# KiCad board SP110Duo.kicad_pcb
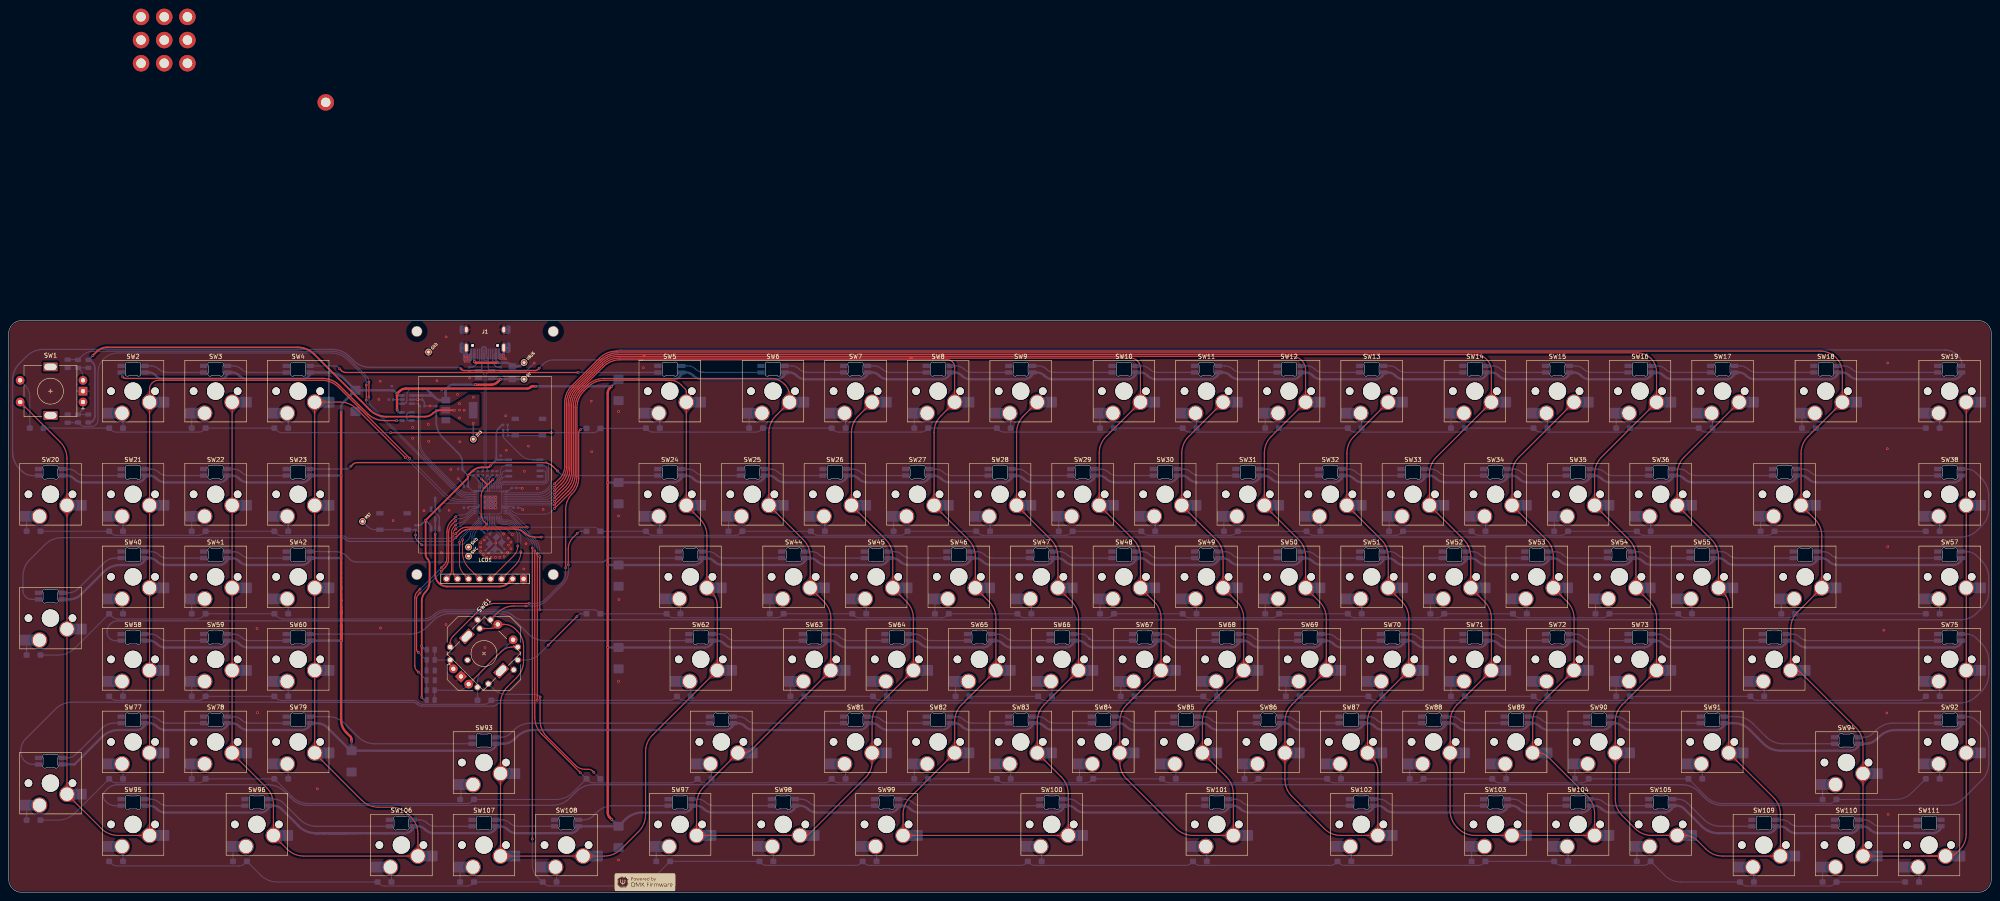
[diagram p0: board, top side]
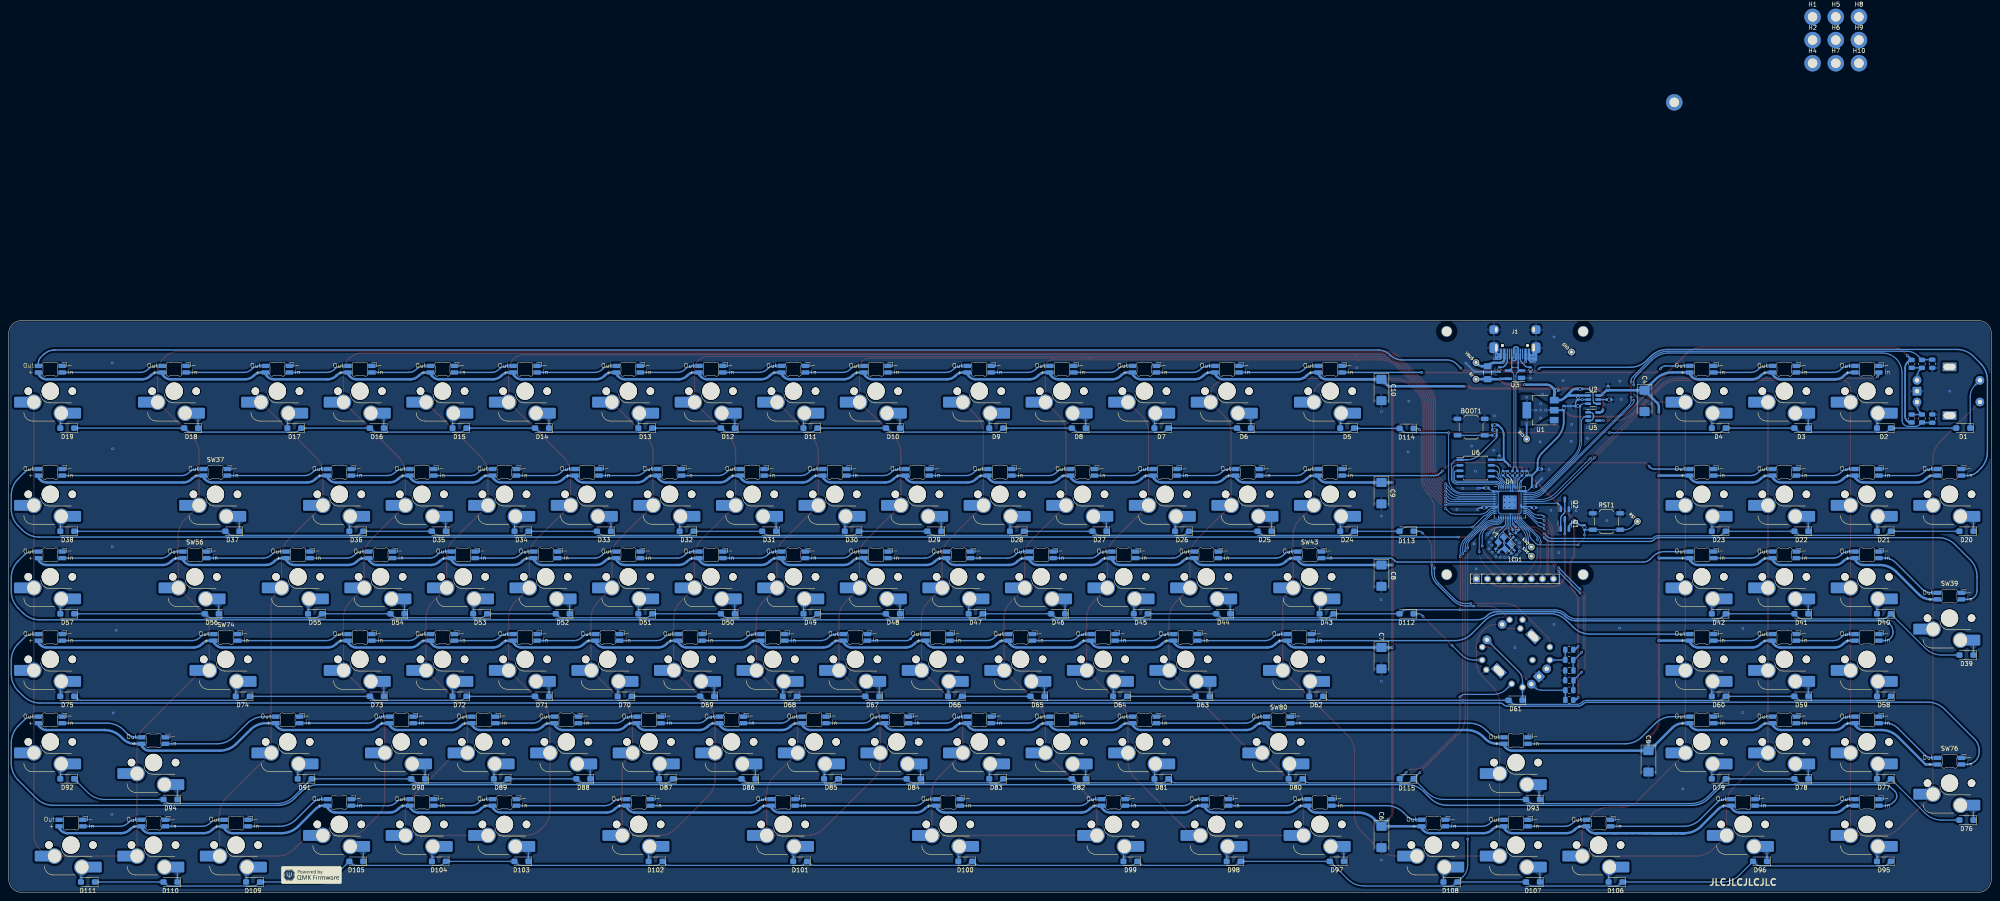
[diagram p1: board, bottom side, seen from below]

Outline 457.4 x 132 mm; copper layers: Top, Bottom. Coordinates in mm from the lower left corner of the outline.
Outline path: 0,129 0,3 arc(0.88,0.88) 3,0 454.4,0 arc(456.52,0.88) 457.4,3 457.4,129 arc(456.52,131.12) 454.4,132 3,132 arc(0.88,131.12) 0,129
Stack: Top 0.035mm / dielectric 1.51mm FR4 er 4.5 / Bottom 0.035mm

## Placement (name value [footprint] x y rotation side)
BOOT1  SW_Push  [SW_SPST_TL3342]  120.02 107.4 0 bottom
C1  1u  [C_0402_1005Metric]  100.37 115.86 0 bottom
C2  1u  [C_0402_1005Metric]  98.64 111.78 270 bottom
C3  100nF  [C_0402_1005Metric]  95.4 114.22 90 bottom
C4  100u  [CP_EIA-6032-15_Kemet-U]  80 113.44 270 bottom
C5  100u  [CP_EIA-6032-15_Kemet-U]  79.1 30.24 270 bottom
C6  100u  [CP_EIA-6032-15_Kemet-U]  140.7 12.78 270 bottom
C7  100u  [CP_EIA-6032-15_Kemet-U]  140.7 54.05 270 bottom
C8  100u  [CP_EIA-6032-15_Kemet-U]  140.7 73.1 270 bottom
C9  100u  [CP_EIA-6032-15_Kemet-U]  140.7 92.15 270 bottom
C10  100u  [CP_EIA-6032-15_Kemet-U]  140.7 115.96 270 bottom
C11  22p  [C_0402_1005Metric]  114.05 78.91 45 bottom
C12  22p  [C_0402_1005Metric]  110.37 78.62 135 bottom
C13  100nF  [C_0402_1005Metric]  88.4 116.38 90 bottom
C14  100n  [C_0402_1005Metric]  113.5 100.33 90 bottom
C15  1u  [C_0402_1005Metric]  108.27 96.75 90 bottom
C16  100n  [C_0402_1005Metric]  109.37 84.02 225 bottom
C17  100n  [C_0402_1005Metric]  105.52 88.8 180 bottom
C18  1u  [C_0402_1005Metric]  104.19 97.71 180 bottom
C19  100n  [C_0402_1005Metric]  116.52 93.35 0 bottom
C20  100n  [C_0402_1005Metric]  117 88.8 0 bottom
C21  100n  [C_0402_1005Metric]  110.07 83.32 225 bottom
C22  100nF  [C_0805_2012Metric]  13.62 109.36 270 bottom
C23  100nF  [C_0805_2012Metric]  13.62 122.01 90 bottom
C24  100nF  [C_0805_2012Metric]  97.35 48.95 180 bottom
C25  100n  [C_0402_1005Metric]  112.67 96.75 90 bottom
C26  100n  [C_0402_1005Metric]  107.17 96.75 90 bottom
C27  100n  [C_0402_1005Metric]  111.57 96.75 90 bottom
C28  100n  [C_0402_1005Metric]  105.49 93.67 180 bottom
C29  100nF  [C_0805_2012Metric]  97.35 51.2 180 bottom
D1  1N4148W  [D_SOD-123]  6.47 107.16 0 bottom
D2  1N4148W  [D_SOD-123]  24.79 107.16 0 bottom
D3  1N4148W  [D_SOD-123]  43.84 107.16 0 bottom
D4  1N4148W  [D_SOD-123]  62.89 107.16 0 bottom
D5  1N4148W  [D_SOD-123]  148.61 107.16 0 bottom
D6  1N4148W  [D_SOD-123]  172.42 107.16 0 bottom
D7  1N4148W  [D_SOD-123]  191.47 107.16 0 bottom
D8  1N4148W  [D_SOD-123]  210.52 107.16 0 bottom
D9  1N4148W  [D_SOD-123]  229.57 107.16 0 bottom
D10  1N4148W  [D_SOD-123]  253.39 107.16 0 bottom
D11  1N4148W  [D_SOD-123]  272.44 107.16 0 bottom
D12  1N4148W  [D_SOD-123]  291.49 107.16 0 bottom
D13  1N4148W  [D_SOD-123]  310.54 107.16 0 bottom
D14  1N4148W  [D_SOD-123]  334.35 107.16 0 bottom
D15  1N4148W  [D_SOD-123]  353.4 107.16 0 bottom
D16  1N4148W  [D_SOD-123]  372.45 107.16 0 bottom
D17  1N4148W  [D_SOD-123]  391.5 107.16 0 bottom
D18  1N4148W  [D_SOD-123]  415.31 107.16 0 bottom
D19  1N4148W  [D_SOD-123]  443.89 107.16 0 bottom
D20  1N4148W  [D_SOD-123]  5.74 83.35 0 bottom
D21  1N4148W  [D_SOD-123]  24.79 83.35 0 bottom
D22  1N4148W  [D_SOD-123]  43.84 83.35 0 bottom
D23  1N4148W  [D_SOD-123]  62.89 83.35 0 bottom
D24  1N4148W  [D_SOD-123]  148.61 83.35 0 bottom
D25  1N4148W  [D_SOD-123]  167.66 83.35 0 bottom
D26  1N4148W  [D_SOD-123]  186.71 83.35 0 bottom
D27  1N4148W  [D_SOD-123]  205.76 83.35 0 bottom
D28  1N4148W  [D_SOD-123]  224.81 83.35 0 bottom
D29  1N4148W  [D_SOD-123]  243.86 83.35 0 bottom
D30  1N4148W  [D_SOD-123]  262.91 83.35 0 bottom
D31  1N4148W  [D_SOD-123]  281.96 83.35 0 bottom
D32  1N4148W  [D_SOD-123]  301.01 83.35 0 bottom
D33  1N4148W  [D_SOD-123]  320.06 83.35 0 bottom
D34  1N4148W  [D_SOD-123]  339.11 83.35 0 bottom
D35  1N4148W  [D_SOD-123]  358.16 83.35 0 bottom
D36  1N4148W  [D_SOD-123]  377.21 83.35 0 bottom
D37  1N4148W  [D_SOD-123]  405.79 83.35 0 bottom
D38  1N4148W  [D_SOD-123]  443.89 83.35 0 bottom
D39  1N4148W  [D_SOD-123]  5.74 54.78 0 bottom
D40  1N4148W  [D_SOD-123]  24.79 64.3 0 bottom
D41  1N4148W  [D_SOD-123]  43.84 64.3 0 bottom
D42  1N4148W  [D_SOD-123]  62.89 64.3 0 bottom
D43  1N4148W  [D_SOD-123]  153.37 64.3 0 bottom
D44  1N4148W  [D_SOD-123]  177.19 64.3 0 bottom
D45  1N4148W  [D_SOD-123]  196.24 64.3 0 bottom
D46  1N4148W  [D_SOD-123]  215.29 64.3 0 bottom
D47  1N4148W  [D_SOD-123]  234.34 64.3 0 bottom
D48  1N4148W  [D_SOD-123]  253.39 64.3 0 bottom
D49  1N4148W  [D_SOD-123]  272.44 64.3 0 bottom
D50  1N4148W  [D_SOD-123]  291.49 64.3 0 bottom
D51  1N4148W  [D_SOD-123]  310.54 64.3 0 bottom
D52  1N4148W  [D_SOD-123]  329.59 64.3 0 bottom
D53  1N4148W  [D_SOD-123]  348.64 64.3 0 bottom
D54  1N4148W  [D_SOD-123]  367.69 64.3 0 bottom
D55  1N4148W  [D_SOD-123]  386.74 64.3 0 bottom
D56  1N4148W  [D_SOD-123]  410.55 64.3 0 bottom
D57  1N4148W  [D_SOD-123]  443.89 64.3 0 bottom
D58  1N4148W  [D_SOD-123]  24.79 45.25 0 bottom
D59  1N4148W  [D_SOD-123]  43.84 45.25 0 bottom
D60  1N4148W  [D_SOD-123]  62.89 45.25 0 bottom
D61  1N4148W  [D_SOD-123]  109.76 44.33 0 bottom
D62  1N4148W  [D_SOD-123]  155.75 45.25 0 bottom
D63  1N4148W  [D_SOD-123]  181.95 45.25 0 bottom
D64  1N4148W  [D_SOD-123]  201 45.25 0 bottom
D65  1N4148W  [D_SOD-123]  220.05 45.25 0 bottom
D66  1N4148W  [D_SOD-123]  239.1 45.25 0 bottom
D67  1N4148W  [D_SOD-123]  258.15 45.25 0 bottom
D68  1N4148W  [D_SOD-123]  277.2 45.25 0 bottom
D69  1N4148W  [D_SOD-123]  296.25 45.25 0 bottom
D70  1N4148W  [D_SOD-123]  315.3 45.25 0 bottom
D71  1N4148W  [D_SOD-123]  334.35 45.25 0 bottom
D72  1N4148W  [D_SOD-123]  353.4 45.25 0 bottom
D73  1N4148W  [D_SOD-123]  372.45 45.25 0 bottom
D74  1N4148W  [D_SOD-123]  403.4 45.25 0 bottom
D75  1N4148W  [D_SOD-123]  443.89 45.25 0 bottom
D76  1N4148W  [D_SOD-123]  5.74 16.68 0 bottom
D77  1N4148W  [D_SOD-123]  24.79 26.2 0 bottom
D78  1N4148W  [D_SOD-123]  43.84 26.2 0 bottom
D79  1N4148W  [D_SOD-123]  62.89 26.2 0 bottom
D80  1N4148W  [D_SOD-123]  160.52 26.2 0 bottom
D81  1N4148W  [D_SOD-123]  191.47 26.2 0 bottom
D82  1N4148W  [D_SOD-123]  210.52 26.2 0 bottom
D83  1N4148W  [D_SOD-123]  229.57 26.2 0 bottom
D84  1N4148W  [D_SOD-123]  248.62 26.2 0 bottom
D85  1N4148W  [D_SOD-123]  267.67 26.2 0 bottom
D86  1N4148W  [D_SOD-123]  286.72 26.2 0 bottom
D87  1N4148W  [D_SOD-123]  305.77 26.2 0 bottom
D88  1N4148W  [D_SOD-123]  324.82 26.2 0 bottom
D89  1N4148W  [D_SOD-123]  343.87 26.2 0 bottom
D90  1N4148W  [D_SOD-123]  362.92 26.2 0 bottom
D91  1N4148W  [D_SOD-123]  389.12 26.2 0 bottom
D92  1N4148W  [D_SOD-123]  443.89 26.2 0 bottom
D93  1N4148W  [D_SOD-123]  105.75 21.44 0 bottom
D94  1N4148W  [D_SOD-123]  420.07 21.44 0 bottom
D95  1N4148W  [D_SOD-123]  24.79 7.15 0 bottom
D96  1N4148W  [D_SOD-123]  53.36 7.15 0 bottom
D97  1N4148W  [D_SOD-123]  150.99 7.15 0 bottom
D98  1N4148W  [D_SOD-123]  174.8 7.15 0 bottom
D99  1N4148W  [D_SOD-123]  198.62 7.15 0 bottom
D100  1N4148W  [D_SOD-123]  236.72 7.15 0 bottom
D101  1N4148W  [D_SOD-123]  274.82 7.15 0 bottom
D102  1N4148W  [D_SOD-123]  308.15 7.15 0 bottom
D103  1N4148W  [D_SOD-123]  339.11 7.15 0 bottom
D104  1N4148W  [D_SOD-123]  358.16 7.15 0 bottom
D105  1N4148W  [D_SOD-123]  377.21 7.15 0 bottom
D106  1N4148W  [D_SOD-123]  86.7 2.39 0 bottom
D107  1N4148W  [D_SOD-123]  105.75 2.39 0 bottom
D108  1N4148W  [D_SOD-123]  124.8 2.39 0 bottom
D109  1N4148W  [D_SOD-123]  401.02 2.39 0 bottom
D110  1N4148W  [D_SOD-123]  420.07 2.39 0 bottom
D111  1N4148W  [D_SOD-123]  439.12 2.39 0 bottom
D112  1N4148W  [D_SOD-123]  134.9 64.3 0 bottom
D113  1N4148W  [D_SOD-123]  134.9 83.35 0 bottom
D114  1N4148W  [D_SOD-123]  134.9 107.1 0 bottom
D115  1N4148W  [D_SOD-123]  134.9 26.2 0 bottom
F1  Polyfuse  [Fuse_1206_3216Metric_Pad1.42x1.75mm_HandSolder]  116.2 119.94 270 bottom
G***  LOGO  [QMK_PoweredBy]  146.8 2.35 0 top
G***#2  LOGO  [QMK_PoweredBy]  387.55 4 180 bottom
H1  MountingHole  [MountingHole_2.2mm_M2_DIN965_Pad]  41.24 202.08 180 bottom
H2  MountingHole  [MountingHole_2.2mm_M2_DIN965_Pad]  41.24 196.73 180 bottom
H3  MountingHole  [MountingHole_2.2mm_M2_DIN965_Pad]  73.15 182.36 180 bottom
H4  MountingHole  [MountingHole_2.2mm_M2_DIN965_Pad]  41.24 191.38 180 bottom
H5  MountingHole  [MountingHole_2.2mm_M2_DIN965_Pad]  35.89 202.08 180 bottom
H6  MountingHole  [MountingHole_2.2mm_M2_DIN965_Pad]  35.89 196.73 180 bottom
H7  MountingHole  [MountingHole_2.2mm_M2_DIN965_Pad]  35.89 191.38 180 bottom
H8  MountingHole  [MountingHole_2.2mm_M2_DIN965_Pad]  30.54 202.08 180 bottom
H9  MountingHole  [MountingHole_2.2mm_M2_DIN965_Pad]  30.54 196.73 180 bottom
H10  MountingHole  [MountingHole_2.2mm_M2_DIN965_Pad]  30.54 191.38 180 bottom
J1  USB_C_Receptacle_USB2.0  [HRO-TYPE-C-31-M-12-modded]  109.9 128.49 0 bottom
LCD1  -  [LCD-ST7789-2in]  109.91 101.42 180 top
Q1  AO3401A  [SOT-23-3]  98.4 85.04 90 bottom
Q2  MMUN2233LT1G  [SOT-23-3]  98.4 89.56 90 bottom
R1  5.1k  [R_0402_1005Metric]  113.5 120.69 90 bottom
R2  5.1k  [R_0402_1005Metric]  106.3 120.69 90 bottom
R3  27  [R_0402_1005Metric]  110.47 96.75 270 bottom
R4  27  [R_0402_1005Metric]  109.37 96.75 270 bottom
R5  5.1k  [R_0402_1005Metric]  94.9 116.2 0 bottom
R6  75k  [R_0402_1005Metric]  88.2 113.75 180 bottom
R7  5.1k  [R_0402_1005Metric]  95.4 112.25 180 bottom
R8  1k  [R_0402_1005Metric]  110.65 82.32 225 bottom
R9  5.1K  [R_0402_1005Metric]  114.62 107.9 180 bottom
R10  5.1K  [R_0402_1005Metric]  93.86 84.21 90 bottom
R11  5.1K  [R_0402_1005Metric]  114.61 106.7 0 bottom
R12  1k  [R_0402_1005Metric]  114.61 105.5 180 bottom
R13  5.1k  [R_0805_2012Metric]  16 109.38 90 bottom
R14  5.1k  [R_0805_2012Metric]  16 121.99 90 bottom
R15  5.1k  [R_0805_2012Metric]  97.35 46.66 180 bottom
R16  5.1k  [R_0805_2012Metric]  97.38 53.65 0 bottom
R17  5.1k  [R_0805_2012Metric]  18.38 109.38 270 bottom
R18  5.1k  [R_0805_2012Metric]  18.38 121.99 90 bottom
R19  5.1k  [R_0805_2012Metric]  97.38 56.02 180 bottom
R20  5.1k  [R_0805_2012Metric]  97.35 44.4 180 bottom
RST1  SW_Push  [SW_SPST_TL3342]  88.79 85.6 0 bottom
S61  -  [RKJXT1F42001]  109.66 55.12 0 top
SW1  RotaryEncoder_Switch  [RotaryEncoder_Alps_EC11E-Switch_Vertical_H20mm_Centred]  9.64 115.69 180 top
SW2  Switch w/LED  [Hotswap_MX_Plated_LED_1u]  28.69 115.69 0 top
SW3  Switch w/LED  [Hotswap_MX_Plated_LED_1u]  47.74 115.69 0 top
SW4  Switch w/LED  [Hotswap_MX_Plated_LED_1u]  66.79 115.69 0 top
SW5  Switch w/LED  [Hotswap_MX_Plated_LED_1u]  152.52 115.69 0 top
SW6  Switch w/LED  [Hotswap_MX_Plated_LED_1u]  176.33 115.69 0 top
SW7  Switch w/LED  [Hotswap_MX_Plated_LED_1u]  195.38 115.69 0 top
SW8  Switch w/LED  [Hotswap_MX_Plated_LED_1u]  214.43 115.69 0 top
SW9  Switch w/LED  [Hotswap_MX_Plated_LED_1u]  233.48 115.69 0 top
SW10  Switch w/LED  [Hotswap_MX_Plated_LED_1u]  257.29 115.69 0 top
SW11  Switch w/LED  [Hotswap_MX_Plated_LED_1u]  276.34 115.69 0 top
SW12  Switch w/LED  [Hotswap_MX_Plated_LED_1u]  295.39 115.69 0 top
SW13  Switch w/LED  [Hotswap_MX_Plated_LED_1u]  314.44 115.69 0 top
SW14  Switch w/LED  [Hotswap_MX_Plated_LED_1u]  338.26 115.69 0 top
SW15  Switch w/LED  [Hotswap_MX_Plated_LED_1u]  357.31 115.69 0 top
SW16  Switch w/LED  [Hotswap_MX_Plated_LED_1u]  376.36 115.69 0 top
SW17  Switch w/LED  [Hotswap_MX_Plated_LED_1u]  395.41 115.69 0 top
SW18  Switch w/LED  [Hotswap_MX_Plated_LED_1u]  419.22 115.69 0 top
SW19  Switch w/LED  [Hotswap_MX_Plated_LED_1u]  447.79 115.69 0 top
SW20  Switch w/LED  [Hotswap_MX_Plated_LED_1u]  9.64 91.88 0 top
SW21  Switch w/LED  [Hotswap_MX_Plated_LED_1u]  28.69 91.88 0 top
SW22  Switch w/LED  [Hotswap_MX_Plated_LED_1u]  47.74 91.88 0 top
SW23  Switch w/LED  [Hotswap_MX_Plated_LED_1u]  66.79 91.88 0 top
SW24  Switch w/LED  [Hotswap_MX_Plated_LED_1u]  152.52 91.88 0 top
SW25  Switch w/LED  [Hotswap_MX_Plated_LED_1u]  171.57 91.88 0 top
SW26  Switch w/LED  [Hotswap_MX_Plated_LED_1u]  190.62 91.88 0 top
SW27  Switch w/LED  [Hotswap_MX_Plated_LED_1u]  209.67 91.88 0 top
SW28  Switch w/LED  [Hotswap_MX_Plated_LED_1u]  228.72 91.88 0 top
SW29  Switch w/LED  [Hotswap_MX_Plated_LED_1u]  247.77 91.88 0 top
SW30  Switch w/LED  [Hotswap_MX_Plated_LED_1u]  266.82 91.88 0 top
SW31  Switch w/LED  [Hotswap_MX_Plated_LED_1u]  285.87 91.88 0 top
SW32  Switch w/LED  [Hotswap_MX_Plated_LED_1u]  304.92 91.88 0 top
SW33  Switch w/LED  [Hotswap_MX_Plated_LED_1u]  323.97 91.88 0 top
SW34  Switch w/LED  [Hotswap_MX_Plated_LED_1u]  343.02 91.88 0 top
SW35  Switch w/LED  [Hotswap_MX_Plated_LED_1u]  362.07 91.88 0 top
SW36  Switch w/LED  [Hotswap_MX_Plated_LED_1u]  381.12 91.88 0 top
SW37  Switch w/LED  [Hotswap_MX_Plated_LED_2u]  409.69 91.88 0 top
SW38  Switch w/LED  [Hotswap_MX_Plated_LED_1u]  447.79 91.88 0 top
SW39  Switch w/LED  [Hotswap_MX_Plated_LED_2u_90deg]  9.64 63.3 0 top
SW40  Switch w/LED  [Hotswap_MX_Plated_LED_1u]  28.69 72.83 0 top
SW41  Switch w/LED  [Hotswap_MX_Plated_LED_1u]  47.74 72.83 0 top
SW42  Switch w/LED  [Hotswap_MX_Plated_LED_1u]  66.79 72.83 0 top
SW43  Switch w/LED  [Hotswap_MX_Plated_LED_1.5u]  157.28 72.83 0 top
SW44  Switch w/LED  [Hotswap_MX_Plated_LED_1u]  181.09 72.83 0 top
SW45  Switch w/LED  [Hotswap_MX_Plated_LED_1u]  200.14 72.83 0 top
SW46  Switch w/LED  [Hotswap_MX_Plated_LED_1u]  219.19 72.83 0 top
SW47  Switch w/LED  [Hotswap_MX_Plated_LED_1u]  238.24 72.83 0 top
SW48  Switch w/LED  [Hotswap_MX_Plated_LED_1u]  257.29 72.83 0 top
SW49  Switch w/LED  [Hotswap_MX_Plated_LED_1u]  276.34 72.83 0 top
SW50  Switch w/LED  [Hotswap_MX_Plated_LED_1u]  295.39 72.83 0 top
SW51  Switch w/LED  [Hotswap_MX_Plated_LED_1u]  314.44 72.83 0 top
SW52  Switch w/LED  [Hotswap_MX_Plated_LED_1u]  333.49 72.83 0 top
SW53  Switch w/LED  [Hotswap_MX_Plated_LED_1u]  352.54 72.83 0 top
SW54  Switch w/LED  [Hotswap_MX_Plated_LED_1u]  371.59 72.83 0 top
SW55  Switch w/LED  [Hotswap_MX_Plated_LED_1u]  390.64 72.83 0 top
SW56  Switch w/LED  [Hotswap_MX_Plated_LED_1.5u]  414.46 72.83 0 top
SW57  Switch w/LED  [Hotswap_MX_Plated_LED_1u]  447.79 72.83 0 top
SW58  Switch w/LED  [Hotswap_MX_Plated_LED_1u]  28.69 53.78 0 top
SW59  Switch w/LED  [Hotswap_MX_Plated_LED_1u]  47.74 53.78 0 top
SW60  Switch w/LED  [Hotswap_MX_Plated_LED_1u]  66.79 53.78 0 top
SW61  RotaryEncoder_Switch  [RotaryEncoder_Alps_EC11E-Switch_Vertical_H20mm_Centred]  109.66 55.12 45 top
SW62  Switch w/LED  [Hotswap_MX_Plated_LED_1.75u]  159.66 53.78 0 top
SW63  Switch w/LED  [Hotswap_MX_Plated_LED_1u]  185.86 53.78 0 top
SW64  Switch w/LED  [Hotswap_MX_Plated_LED_1u]  204.91 53.78 0 top
SW65  Switch w/LED  [Hotswap_MX_Plated_LED_1u]  223.96 53.78 0 top
SW66  Switch w/LED  [Hotswap_MX_Plated_LED_1u]  243.01 53.78 0 top
SW67  Switch w/LED  [Hotswap_MX_Plated_LED_1u]  262.06 53.78 0 top
SW68  Switch w/LED  [Hotswap_MX_Plated_LED_1u]  281.11 53.78 0 top
SW69  Switch w/LED  [Hotswap_MX_Plated_LED_1u]  300.16 53.78 0 top
SW70  Switch w/LED  [Hotswap_MX_Plated_LED_1u]  319.21 53.78 0 top
SW71  Switch w/LED  [Hotswap_MX_Plated_LED_1u]  338.26 53.78 0 top
SW72  Switch w/LED  [Hotswap_MX_Plated_LED_1u]  357.31 53.78 0 top
SW73  Switch w/LED  [Hotswap_MX_Plated_LED_1u]  376.36 53.78 0 top
SW74  Switch w/LED  [Hotswap_MX_Plated_LED_2.25u]  407.31 53.78 0 top
SW75  Switch w/LED  [Hotswap_MX_Plated_LED_1u]  447.79 53.78 0 top
SW76  Switch w/LED  [Hotswap_MX_Plated_LED_2u_90deg]  9.64 25.2 0 top
SW77  Switch w/LED  [Hotswap_MX_Plated_LED_1u]  28.69 34.73 0 top
SW78  Switch w/LED  [Hotswap_MX_Plated_LED_1u]  47.74 34.73 0 top
SW79  Switch w/LED  [Hotswap_MX_Plated_LED_1u]  66.79 34.73 0 top
SW80  Switch w/LED  [Hotswap_MX_Plated_LED_2.25u]  164.42 34.73 0 top
SW81  Switch w/LED  [Hotswap_MX_Plated_LED_1u]  195.38 34.73 0 top
SW82  Switch w/LED  [Hotswap_MX_Plated_LED_1u]  214.43 34.73 0 top
SW83  Switch w/LED  [Hotswap_MX_Plated_LED_1u]  233.48 34.73 0 top
SW84  Switch w/LED  [Hotswap_MX_Plated_LED_1u]  252.53 34.73 0 top
SW85  Switch w/LED  [Hotswap_MX_Plated_LED_1u]  271.58 34.73 0 top
SW86  Switch w/LED  [Hotswap_MX_Plated_LED_1u]  290.63 34.73 0 top
SW87  Switch w/LED  [Hotswap_MX_Plated_LED_1u]  309.68 34.73 0 top
SW88  Switch w/LED  [Hotswap_MX_Plated_LED_1u]  328.73 34.73 0 top
SW89  Switch w/LED  [Hotswap_MX_Plated_LED_1u]  347.78 34.73 0 top
SW90  Switch w/LED  [Hotswap_MX_Plated_LED_1u]  366.83 34.73 0 top
SW91  Switch w/LED  [Hotswap_MX_Plated_LED_1.75u]  393.02 34.73 0 top
SW92  Switch w/LED  [Hotswap_MX_Plated_LED_1u]  447.79 34.73 0 top
SW93  Switch w/LED  [Hotswap_MX_Plated_LED_1u]  109.66 29.96 0 top
SW94  Switch w/LED  [Hotswap_MX_Plated_LED_1u]  423.98 29.96 0 top
SW95  Switch w/LED  [Hotswap_MX_Plated_LED_1u]  28.69 15.68 0 top
SW96  Switch w/LED  [Hotswap_MX_Plated_LED_2u]  57.27 15.68 0 top
SW97  Switch w/LED  [Hotswap_MX_Plated_LED_1.25u]  154.9 15.68 0 top
SW98  Switch w/LED  [Hotswap_MX_Plated_LED_1.25u]  178.71 15.68 0 top
SW99  Switch w/LED  [Hotswap_MX_Plated_LED_1.25u]  202.52 15.68 0 top
SW100  Switch w/LED  [Hotswap_MX_Plated_LED_2.75u]  240.62 15.68 0 top
SW101  Switch w/LED  [Hotswap_MX_Plated_LED_1.25u]  278.72 15.68 0 top
SW102  Switch w/LED  [Hotswap_MX_Plated_LED_2.25u]  312.06 15.68 0 top
SW103  Switch w/LED  [Hotswap_MX_Plated_LED_1u]  343.02 15.68 0 top
SW104  Switch w/LED  [Hotswap_MX_Plated_LED_1u]  362.07 15.68 0 top
SW105  Switch w/LED  [Hotswap_MX_Plated_LED_1u]  381.12 15.68 0 top
SW106  Switch w/LED  [Hotswap_MX_Plated_LED_1u]  90.61 10.91 0 top
SW107  Switch w/LED  [Hotswap_MX_Plated_LED_1u]  109.66 10.91 0 top
SW108  Switch w/LED  [Hotswap_MX_Plated_LED_1u]  128.71 10.91 0 top
SW109  Switch w/LED  [Hotswap_MX_Plated_LED_1u]  404.93 10.91 0 top
SW110  Switch w/LED  [Hotswap_MX_Plated_LED_1u]  423.98 10.91 0 top
SW111  Switch w/LED  [Hotswap_MX_Plated_LED_1u]  443.03 10.91 0 top
TP1  VBUS  [TestPoint]  118.9 122.3 45 bottom
TP2  5V  [TestPoint]  118.9 118.45 45 bottom
TP3  3V3  [TestPoint]  107.2 104.6 45 bottom
TP4  GND  [TestPoint]  96.86 124.72 45 bottom
TP5  RST  [TestPoint]  81.64 85.61 45 bottom
TP6  SWC  [TestPoint]  106.1 77.6 45 bottom
TP7  SWD  [TestPoint]  106.1 79.7 45 bottom
U1  AZ1117H-3.3TRE1  [SOT-223-3_TabPin2]  104 111.3 0 bottom
U2  TPS2553DBVR  [SOT-23-6]  91.86 113.75 180 bottom
U3  PRTR5V0U2X  [SOT-143_Handsoldering]  109.9 119.5 0 bottom
U4  RP2040  [QFN-56-1EP_7x7mm_P0.4mm_EP3.2x3.2mm]  111.1 90.01 180 bottom
U5  74AHC1G125  [SOT-23-5]  91.86 109.85 180 bottom
U6  W25Q128JVSIQ  [SOIC-8_5.275x5.275mm_P1.27mm]  118.97 97.95 180 bottom
Y1  X322512MSB4SI  [Crystal_SMD_3225-4Pin_3.2x2.5mm]  112.35 80.6 45 bottom

## Library data of the parts
BOOT1 RST1 = -: Description: Push button switch, generic, two pins
C1 C2 C11 C12 C14-C21 C25-C28 = -: Description: Unpolarized capacitor, small symbol
C3 C13 C22-C24 C29 = -: Description: Unpolarized capacitor
C4-C10 = -: Description: Polarized capacitor
D1-D115 = -: Description: 75V 0.15A Fast Switching Diode, SOD-123; Sim.Device: D; Sim.Pins: 1=K 2=A
F1 = -: Description: Resettable fuse, polymeric positive temperature coefficient
H1-H10 = -: Description: Mounting Hole without connection
J1 = -: Description: USB 2.0-only Type-C Receptacle connector
Q1 = -: Description: -4.0A Id, -30V Vds, P-Channel MOSFET, SOT-23
Q2 = -: Description: NPN bias resistor transistor, base/emitter/collector
R1 R2 R5-R7 R13-R20 = -: Description: Resistor
R3 R4 R8-R12 = -: Description: Resistor, small symbol
S61 = -: Description: Multi-Directional Switches 4 drectnl swtch cntr push w/ an encoder; Height: 17; Manufacturer_Name: ALPS Electric; Mouser Part Number: 688-RKJXT1F42001; Mouser Price/Stock: https://www.mouser.co.uk/ProductDetail/Alps-Alpine/RKJXT1F42001?qs=6EGMNY9ZYDTsBzSTrhiL0w%3D%3D
SW1 SW61 = -: Description: Rotary encoder, dual channel, incremental quadrate outputs, with switch
SW2-SW60 SW62-SW111 = -: Description: Push button switch, normally open, two pins, 45° tilted
TP1-TP7 = -: Description: test point
U1 = -: Description: Positive 60-250mA Low Dropout Regulator, Fixed Output, SOT-23
U3 = -: Description: Ultra low capacitance double rail-to-rail ESD protection diode, SOT-143
U4 = -: Description: A microcontroller by Raspberry Pi
U5 = -: Description: Single Buffer Gate Tri-State, Low-Voltage CMOS
U6 = -: Description: 128Mb Serial Flash Memory, Standard/Dual/Quad SPI, SOIC-8
Y1 = -: Description: Four pin crystal, GND on pins 2 and 4
